# Altium PCB Fri3D_2020_01.PcbDoc (part 2 of 3) (continued)
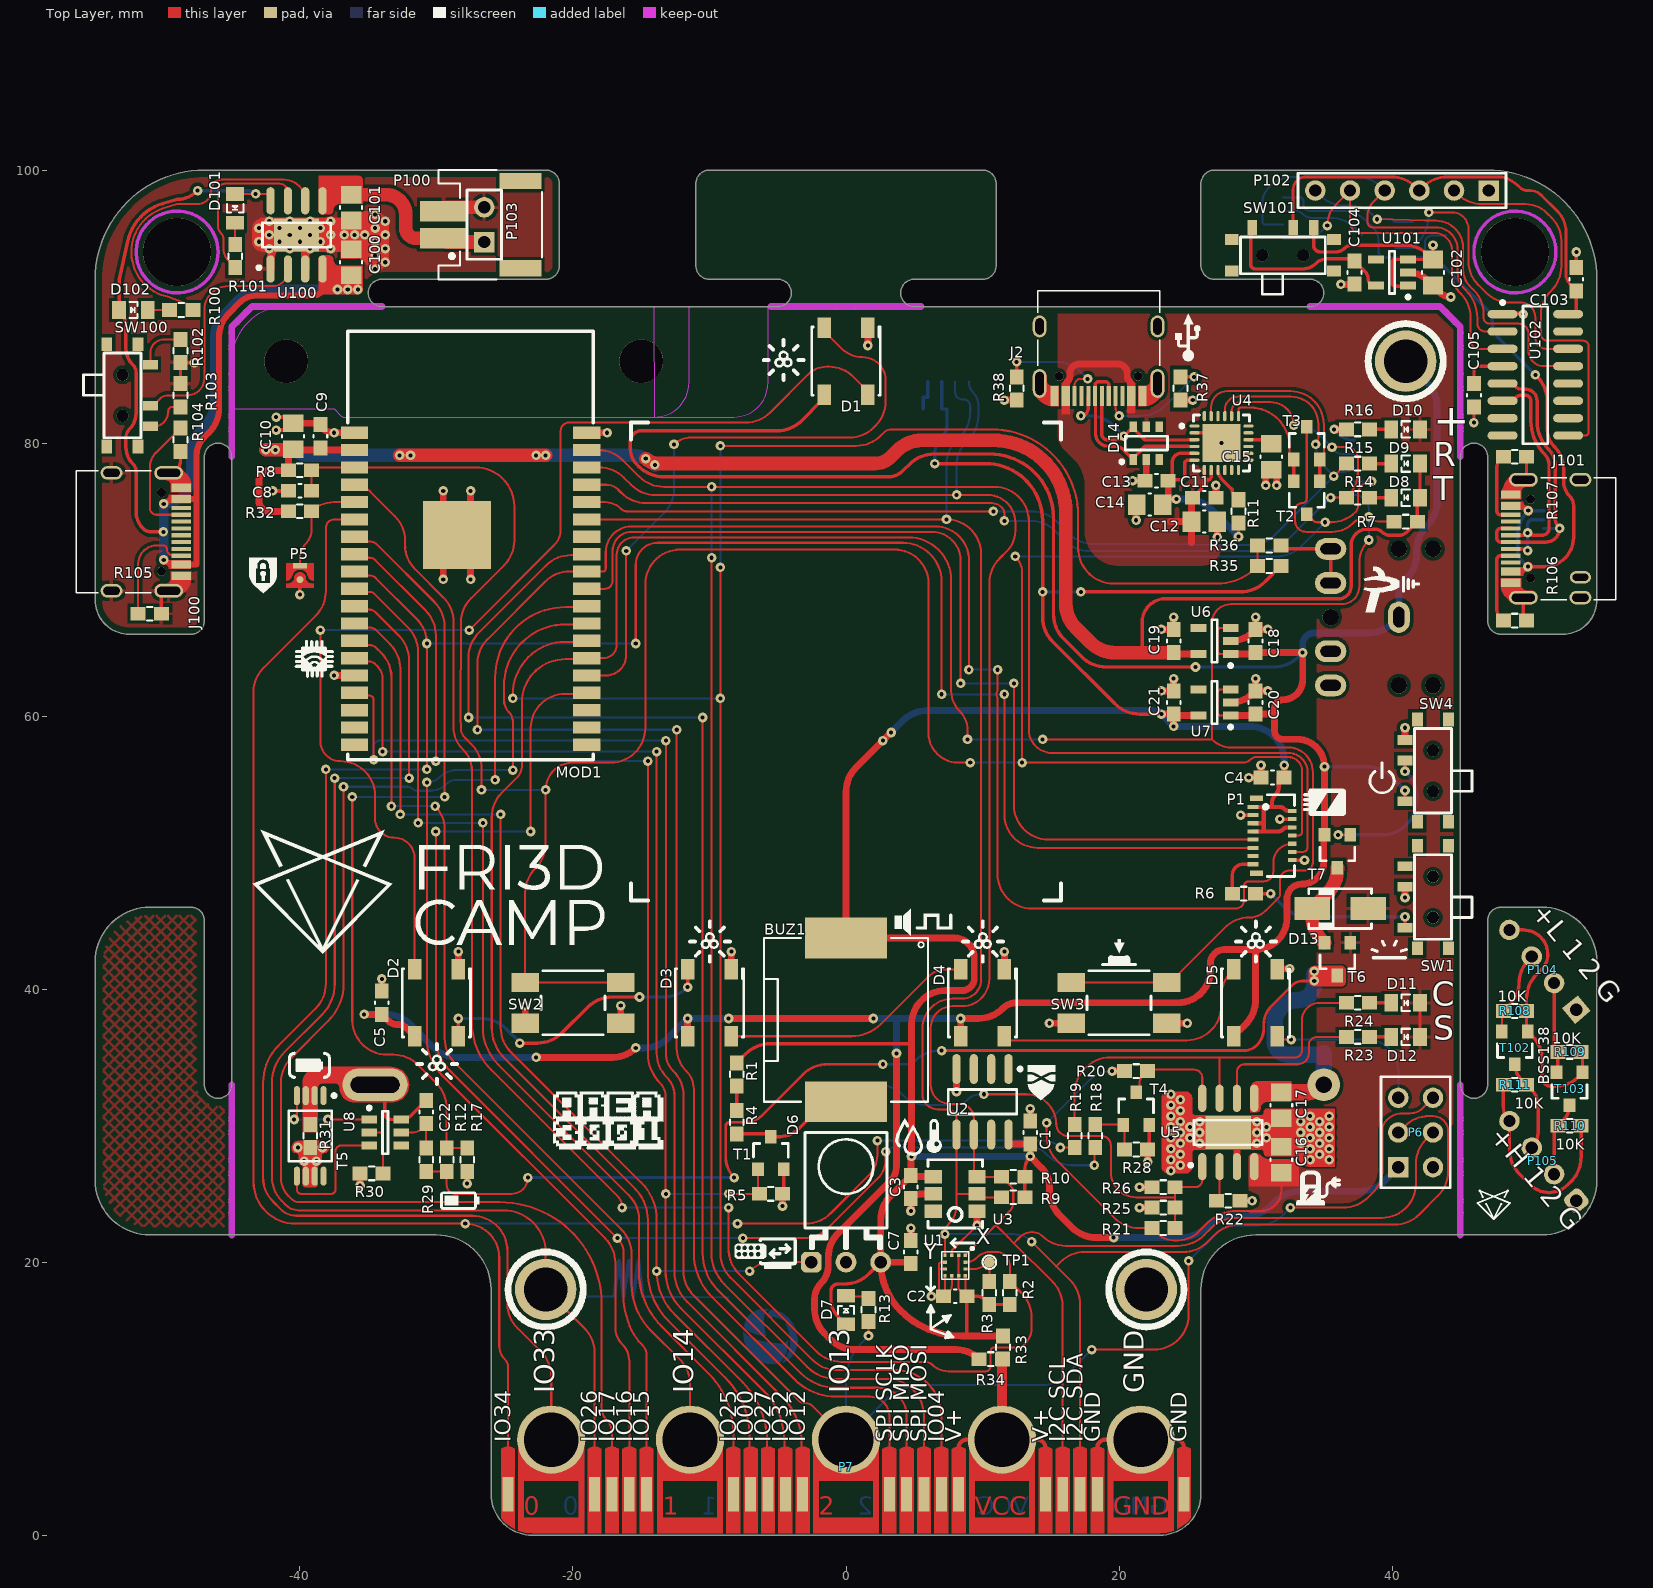
[diagram p0: Top Layer view]
## Nets (pads, with @x,y where several pads share a name; then routed paths per layer and width w, separated by ;. In a path a pad name is that pad's centre, name@x,y a point inside that pad or via, vN(x,y) a via of type N, cw(c..) or ccw(c..) an arc to the next point about the centre after c; other vN are vias at no path point) (continued)
  Bottom Layer w0.15: v1(-16.4,24) v1(-8.6,24)
ESP.IO39: MOD1.5 P5.2 R32.2 | length 7.6
  Top Layer w0.15: P5.2@-40,71 -40,71.634 cw(c-38.634,71.634) -39.6,72.6 ccw(c-40.687,73.687) -39.15,73.687 R32.2@-39.15,75 cw(c-37.513,73.363) -37.513,75.678 MOD1.5@-36,75.678
ESP.RESET: C8.1 MOD1.3 P1.8 P3.4 R8.2 SW2.1 T2.3 | length 203.7
  Top Layer w0.15: C8.1@-39.15,76.5 R8.2@-39.15,78 -39.15,78.218 MOD1.3@-36,78.218 -27.14,78.218 cw(c-27.14,75.378) -24.3,75.378 -24.3,72.852 cw(c-26.84,72.852) -25.044,71.056 -27.456,68.644 ccw(c-25.66,66.848) -28.2,66.848 -28.225,59.902 ccw(c-27.65,59.9) -28.225,59.881 -28.2,59.13 cw(c-28.35,59.124) -28.2,59.124 ccw(c-27.176,59.124) -27.9,58.4 -27.444,57.944 cw(c-29.24,56.148) -26.7,56.148 v1(-26.7,54.6) ; SW2.1@-16.5,40.5 SW2.1@-23.5,40.5 -23.5,47.048 cw(c-20.96,47.048) -22.756,48.844 -22.744,48.856 ccw(c-24.54,50.652) -22,50.652 v1(-22,54.6) cw(c-20,54.6) -20,56.6 -17.24,56.6 ccw(c-17.24,59.14) -14.7,59.14 -14.7,69.66 cw(c-12.16,69.66) -12.16,72.2 3.559,72.2 cw(c3.559,69.713) 6.046,69.713 6.046,58.753 ccw(c8.199,58.753) 8.199,56.6 v1(9.1,56.6) ; v1(12.4,71.7) cw(c11.193,70.493) 12.9,70.493 v1(12.9,56.6) 29.117,56.6 ccw(c29.117,57.283) 29.6,56.8 cw(c30.083,56.317) 30.083,57 32.4,57 cw(c32.4,56) 33.4,56 33.4,51.502 cw(c33.148,51.502) 33.148,51.25 P1.8@32.688,51.25 ; T2.3@33.75,74.8 34.244,74.306 ccw(c34.5,74.562) 34.5,74.2 v1(35.1,74.2) 35.523,74.2 ccw(c35.523,76.74) 37.319,74.944 ccw(c36.882,75.381) 37.5,75.381 37.5,76.317 cw(c38.183,76.317) 37.7,76.8 37.817,76.917 cw(c38.5,76.234) v1(38.5,77.2)
  Bottom Layer w0.15: v1(-26.7,54.6) v1(-22,54.6) ; v1(9.1,56.6) v1(12.9,56.6) ; v1(12.4,71.7) 31.548,71.7 ccw(c31.548,74.24) 33.344,72.444 v1(35.1,74.2) ; P3.4@37.225,77.2 v1(38.5,77.2)
ESP.RXD0: MOD1.34 P3.3 R15.2 U4.21 | length 74
  Top Layer w0.15: MOD1.34@-19,75.678 -17.654,75.678 cw(c-17.654,74.046) -16.5,75.2 ccw(c-16.017,75.683) -16.017,75 v1(10.8,75) ; U4.21@27.75,81.975 27.75,82.45 cw(c28.7,82.45) 28.7,83.4 32.6,83.4 cw(c32.6,81.4) 34.6,81.4 34.6,80.383 cw(c33.917,80.383) v1(34.4,79.9) ; v1(35.731,77.581) R15.2@36.65,78.5
  Bottom Layer w0.15: v1(10.8,75) 13.648,75 cw(c13.648,72.46) 15.444,74.256 16.356,73.344 ccw(c18.152,75.14) 18.152,72.6 23.948,72.6 27.187,72.525 ccw(c27.2,73.1) 27.192,72.525 ccw(c27.2,73.1) 27.2,72.525 28.772,72.525 29.623,72.525 ccw(c29.623,75.065) 31.419,73.269 v1(35.731,77.581) ; v1(34.4,79.9) ccw(c36.783,79.9) 35.098,78.215 v1(35.731,77.581) ; P3.3@37.225,78.2 cw(c36.501,78.924) 36.501,77.9 ccw(c36.501,76.812) v1(35.731,77.581)
ESP.TXD0: MOD1.35 P3.2 R14.2 U4.20 | length 76.1
  Top Layer w0.15: MOD1.35@-19,76.948 -17.54,76.948 cw(c-17.54,75.76) -16.7,76.6 -16.444,76.344 ccw(c-14.648,78.14) -14.648,75.6 10.676,75.6 cw(c10.676,74.576) 11.4,75.3 cw(c10.917,74.817) 11.6,74.817 v1(11.6,74.3) ; U4.20@28.25,81.975 28.25,82.35 cw(c28.9,82.35) 28.9,83 31.1,83 cw(c31.1,81.3) v1(32.8,81.3) ; v1(35.5,76) R14.2@36.65,76 36.756,76.106 ccw(c34.96,77.902) 37.5,77.902 37.5,78.776 ccw(c36.476,78.776) 37.2,79.5 ccw(c36.717,79.017) 36.717,79.7 v1(35.6,79.7)
  Bottom Layer w0.15: v1(11.6,74.3) 13.548,74.3 cw(c13.548,71.76) 15.344,73.556 16.056,72.844 ccw(c17.852,74.64) 17.852,72.1 30.5,72.1 ccw(c30.5,74.64) 32.296,72.844 35.452,76 v1(35.5,76) ; v1(32.8,81.3) 32.948,81.3 cw(c32.948,78.76) 34.744,80.556 v1(35.6,79.7) 35.661,79.554 35.672,79.525 ccw(c36.457,80.31) P3.2@36.457,79.2 ; P3.2@36.458,79.2 P3.2@37.225,79.2
GBAT: BAT1.2 C22.2 R31.1 T5.2 T5.3 U8.6 | length 6.3
  Top Layer w0.25: BAT1.2@-34.5,33 cw(c-34.5,32.3) -33.8,32.3 -33.8,30.9 ccw(c-33.35,30.9) -33.35,30.45 U8.6@-32.575,30.45 ccw(c-32.575,31.476) -31.849,30.751 C22.2@-30.75,31.85
GND: C1.2 C2.2 C3.2 C4.2 C5.2 C6.2 C7.2 C8.2 C9.2 C10.2 C11.2 C12.1 C13.2 C14.1 C15.1 C16.2 C17.2 C18.2 C19.2 C20.2 C21.2 D1.3 D2.3 D3.3 D4.3 D5.3 D6.2 D14.2 J1.2 J1.4 J2.A1 J2.A12 J2.B1 J2.B12 J2.MH1 J2.MH2 J2.MH3 J2.MH4 MOD1.1 MOD1.15 MOD1.38 MOD1.39 P1.3 P1.4 P1.14 P2.1 P3.1 P4.2 P5.1 P6.2 P7.23 P7.24 P7.25 pad.0@22,18 R5.2 R16.2 R17.2 R22.2 R25.2 R26.2 R27.2 R28.2 R30.2 R31.2 R37.2 R38.2 SW1.2 SW2.2 SW3.2 SW4.3 T1.2 T4.2 T5.6 T5.7 U1.3 U1.5 U1.6 U1.7 U1.8 U2.4 U3.1 U3.5 U4.2 U4.25 U5.3 U5.9 U6.2 U7.2 | length 118.9
  Top Layer w0.15: U1.7@7.25,19 C2.2@7.25,17.5 ; U1.6@7.25,19.5 6.8,19.5 ; U1.5@7.25,20 7,20 ccw(c7,19.8) 6.8,19.8 6.8,19.5 ; U1.8@7.75,19 7.75,18.3 cw(c7.026,18.3) 7.538,17.788 C2.2@7.25,17.5 ; U1.3@7.75,20.5 7.75,20.779 cw(c7.921,20.779) 7.8,20.9 v1(9.6,22.7) ; 6.8,19.5 6.8,17.5 C2.2@7.15,17.5 C2.2@7.25,17.5
  Top Layer w0.25: v1(-40,68.9) P5.1@-40,70 ; R5.2@-4.65,25 ccw(c-4.891,25.241) -4.55,25.241 T1.2@-4.55,26.8 ; R28.2@22.1,28.25 ccw(c21.859,28.491) 22.2,28.491 T4.2@22.2,30.05 ; U4.2@25.525,80.75 26.75,80.75 cw(c26.75,80) v1(27.5,80) ; v1(28.913,52.75) P1.3@29.813,52.75 ; v1(31.788,52.45) P1.4@32.688,52.45 ; P1.14@32.688,49.45 v1(33.588,49.45)
  Top Layer w0.3: v1(-42,76.5) C8.2@-40.85,76.5 ; v1(-41.75,80.95) C10.2@-40.55,80.95 ; v1(-41.75,81.9) C10.2@-40.55,81.9 ; P7.23@18.415,3 18.415,6.411 cw(c19.004,6.411) 19.004,7 P7.24@21.59,7 24.176,7 cw(c24.176,6.411) 24.765,6.411 P7.25@24.765,3
  Top Layer w0.5: C10.2@-40.5,81.45 -38.742,81.45 cw(c-38.742,81.108) C9.2@-38.5,81.35 -38.411,81.135 ccw(c-37.5,82.046) v1(-37.5,80.758) MOD1.1@-36,80.758 ; v1(-40.15,28.4) R31.2@-39.25,28.4 v1(-38.35,28.4) ; v1(-37.5,62.978) MOD1.15@-36,62.978 ; v1(-35.6,25.6) R30.2@-35.6,26.5 ; C5.2@-34,39.85 v1(-34,40.75) ; v1(-29.5,70.019) v1(-29.5,76.5) ; D2.3@-28.4,41.45 v1(-28.4,42.75) ; v1(-27.75,25.75) R17.2@-27.75,26.65 ; v1(-27.5,70.019) v1(-27.5,76.5) ; SW2.2@-23.5,37.5 v1(-23.5,38.8) ; MOD1.38@-19,80.758 v1(-17.5,80.758) ; SW2.2@-16.5,37.5 v1(-16.5,38.8) ; D3.3@-8.4,41.45 v1(-8.4,42.75) ; v1(-4.65,24.1) R5.2@-4.65,25 ; v1(1.6,87.15) D1.3@1.6,88.45 ; C7.2@4.75,21.6 v1(4.75,22.5) ; v1(4.75,23.75) C3.2@4.75,24.65 cw(c5.595,23.805) 5.595,25 U3.5@6.4,25 ; v1(6.25,17.5) C2.2@6.8,17.5 ; v1(8.095,32.5) U2.4@8.095,34.15 ; v1(9.6,22.7) U3.1@9.6,23.73 ; D4.3@11.6,41.45 v1(11.6,42.75) ; v1(11.6,83.15) R38.2@12.5,83.15 ; C1.2@13.5,30.35 v1(13.5,31.25) ; v1(14.9,37.5) SW3.2@16.5,37.5 ; v1(21,77.25) C13.2@21.9,77.25 ccw(c21.659,77.491) 22,77.491 D14.2@22,78.8 ; v1(21.25,74.35) C14.1@21.25,75.5 ; v1(21.5,24) R25.2@22.4,24 ; v1(21.5,25.5) R26.2@22.4,25.5 ; v1(22.1,27.35) R28.2@22.1,28.25 ; v1(23.1,61.85) C21.2@24,61.85 v1(24,62.75) ; v1(23.1,66.35) C19.2@24,66.35 v1(24,67.25) ; SW3.2@23.5,37.5 v1(25,37.5) ; R37.2@24.5,83.15 v1(25.4,83.15) ; C11.2@27.1,76 v1(27.1,76.9) ; v1(27.2,73.1) C12.1@27.2,74.25 ; U5.9@28,29.5 cw(c28,28.865) 28.635,28.865 U5.3@28.635,27 ; U7.2@28.175,61 ccw(c28.175,63.354) 29.84,61.69 C20.2@30,61.85 ; U6.2@28.175,65.5 ccw(c28.175,67.854) 29.84,66.19 C18.2@30,66.35 ; R22.2@28.85,24.5 v1(29.75,24.5) ; v1(29.5,55.5) C4.2@30.4,55.5 v1(30.4,56.4) ; v1(30,62.75) C20.2@30,61.85 ; v1(30,67.25) C18.2@30,66.35 ; v1(30.75,76.9) C15.1@30.75,78.05 ; v1(30.9,61.85) C20.2@30,61.85 ; v1(30.9,66.35) C18.2@30,66.35 ; v1(31.55,76.9) C15.1@31.55,78.05 ; D5.3@31.6,41.45 31.65,41.5 v1(32.5,41.5) ; v1(35.75,81) R16.2@36.65,81 ; v1(40.95,46.7) SW1.2@40.95,47.5 ; SW4.3@40.95,58.25 v1(40.95,59.15)
  Bottom Layer w0.25: C6.2@5.65,82.5 5.65,83.365 6,83.365 P2.1@6,84.5 ; v1(35.75,81) 36.072,80.677 ccw(c37.225,81.83) P3.1@37.225,80.2
  other v1: 23.8,26.7 24.5,27.1 -39.7,27.4 -38.8,27.4 23.8,27.5 34,27.5 35.4,27.5 24.5,27.9 34.7,27.9 23.8,28.3 34,28.3 35.4,28.3 24.5,28.7 25.9,28.7 30.1,28.7 33.3,28.7 34.7,28.7 23.8,29.1 25.2,29.1 30.8,29.1 34,29.1 35.4,29.1 24.5,29.5 25.9,29.5 30.1,29.5 33.3,29.5 34.7,29.5 23.8,29.9 25.2,29.9 30.8,29.9 34,29.9 35.4,29.9 24.5,30.3 25.9,30.3 30.1,30.3 33.3,30.3 34.7,30.3 23.8,30.7 34,30.7 35.4,30.7 24.5,31.1 23.8,31.5 24.5,31.9 23.8,32.3
GND2: C100.2 C101.2 J100.A1 J100.A12 J100.B1 J100.B12 J100.MH1 J100.MH2 J100.MH3 J100.MH4 P100.2 P103.2 R102.2 R103.2 R104.2 R105.2 U100.1 U100.3 U100.9 | length 16.4
  Top Layer w0.25: R105.2@-50.15,67.5 -50.15,69.075 -50.003,69.18 J100.MH4@-49.618,69.18 ; J100.MH1@-49.618,77.82 ccw(c-49.618,78.688) -48.75,78.688 R104.2@-48.75,79.4 ; R103.2@-48.75,84.35 R102.2@-48.75,85.9 v1(-47.75,85.9)
  Top Layer w0.6: U100.1@-42.155,92.75 -42.155,93.345 cw(c-40.25,93.345) U100.9@-40.25,95.25 cw(c-40.25,94.615) -39.615,94.615 U100.3@-39.615,92.75
  Top Layer w1: P100.2@-29.5,97 cw(c-29.23,97) -29.23,97.27 P103.2@-26.5,97.27
  other v1: -34.5,92.75 -33.75,93.25 -34.5,93.75 -42.25,94.25 -40.75,94.25 -39.25,94.25 -37.75,94.25 -33.75,94.25 -43,94.75 -41.5,94.75 -40,94.75 -38.5,94.75 -34.5,94.75 -42.25,95.25 -40.75,95.25 -39.25,95.25 -37.75,95.25 -36.75,95.25 -36,95.25 -35.25,95.25 -33.75,95.25 -43,95.75 -41.5,95.75 -40,95.75 -38.5,95.75 -34.5,95.75 -42.25,96.25 -40.75,96.25 -39.25,96.25 -37.75,96.25 -33.75,96.25 -34.5,96.75
GND3: C102.2 C103.2 C104.2 C105.2 J101.A1 J101.A12 J101.B1 J101.B12 J101.MH1 J101.MH2 J101.MH3 J101.MH4 J102.5 J102.MH1 J102.MH2 J102.MH3 J102.MH4 P101.1 P102.1 R106.2 R107.2 U101.2 U102.1 | length 12.5
  Top Layer w0.25: v1(46,81.5) C105.2@46,82.65 ; U102.1@48.1,89.445 ccw(c48.045,89.445) 48.045,89.5 49.545,89.5 cw(c49.545,89.445) v1(49.6,89.445) ; J101.MH1@49.618,68.68 49.618,67 R106.2@49.85,67 ; J101.MH4@49.618,77.32 49.85,77.32 R107.2@49.85,79 ; C103.2@53.5,92.85 v1(53.5,94)
  Top Layer w0.5: v1(36.25,91.625) 37.225,91.625 ccw(c37.225,91.65) C104.2@37.25,91.65 ; U101.2@41.175,92.5 cw(c41.175,90.388) 42.669,91.881 C102.2@43,91.55 43.532,91.018 ccw(c44.3,91.786) v1(44.3,90.7)
I2C.SCL: MOD1.36 P2.4 P6.4 P7.21 R10.2 U1.1 U2.6 U3.3 | length 162.8
  Top Layer w0.15: MOD1.36@-19,78.218 -18.07,78.218 cw(c-18.07,75.678) -16.274,77.474 -15.744,76.944 ccw(c-13.948,78.74) -13.948,76.2 v1(8.1,76.2) 10.379,76.2 cw(c10.379,74.179) 12.4,74.179 12.4,73.549 cw(c10.351,73.549) 11.8,72.1 11.244,71.544 ccw(c13.04,69.748) 10.5,69.748 10.5,40.75 cw(c8.5,40.75) 8.5,38.75 7.8,38.75 ccw(c7.8,37.15) 6.2,37.15 6.2,33 ccw(c7.6,33) 7.6,31.6 8.3,31.6 cw(c8.3,30.535) 9.365,30.535 U2.6@9.365,29.35 9.365,26.405 9.393,26.356 U3.3@9.6,26.27 ccw(c9.648,26.318) 9.648,26.25 R10.2@11.4,26.25 12.073,25.576 cw(c11.647,25.15) 12.25,25.15 12.25,24.35 cw(c11.405,24.35) 12.003,23.753 10.975,22.725 ; U1.1@8.75,20.5 10.975,22.725 ; P7.21@15.875,3 15.875,16.773 ccw(c13.335,16.773) 15.131,18.569 12.3,21.4 ; P6.4@43,29.5 42.494,28.994 ccw(c44.29,27.198) 41.75,27.198 41.75,25.75 cw(c39.25,25.75) 39.25,23.25 28.561,23.25 ccw(c28.561,20.689) 26.75,22.5 26.244,21.994 cw(c24.327,23.911) 24.327,21.2 16.09,21.2 cw(c16.09,23.59) 14.4,21.9 ccw(c13.676,21.176) 13.676,22.2 13.6,22.2 ccw(c13.6,20.993) 12.746,21.846 12.3,21.4 ; 10.975,22.725 11.85,21.85 12.3,21.4
  Bottom Layer w0.15: v1(8.1,76.2) 8.1,78.348 cw(c10.64,78.348) 8.844,80.144 9,80.3 ccw(c7.31,81.99) 9.7,81.99 9.7,82.81 ccw(c8.517,82.81) 9.354,83.646 cw(c10.207,84.5) P2.4@9,84.5
I2C.SDA: MOD1.33 P2.3 P6.3 P7.22 R9.2 U1.4 U2.5 U3.2 | length 166.7
  Top Layer w0.15: MOD1.33@-19,74.408 v1(7.36,74.408) cw(c7.36,71.868) 9.9,71.868 9.9,40.7 cw(c8.5,40.7) 8.5,39.3 7.8,39.3 ccw(c7.8,37.1) 5.6,37.1 5.6,32.3 ccw(c6.7,32.3) 6.7,31.2 7.4,31.2 cw(c7.4,30.505) 8.095,30.505 U2.5@8.095,29.35 8.095,25 ; U1.4@7.25,20.5 v1(7.25,22.055) cw(c8.445,22.055) 7.6,22.9 ccw(c6.405,24.095) 8.095,24.095 8.095,25 ; R9.2@11.4,24.75 10.204,24.75 cw(c10.204,25.604) U3.2@9.6,25 8.095,25 ; v1(13.6,21.5) 15.4,19.7 ; P7.22@17.145,3 17.145,16.903 ccw(c14.605,16.903) 16.401,18.699 15.4,19.7 ; P6.3@40.46,29.5 40.916,29.956 cw(c42.712,28.16) 42.712,30.7 43,30.7 cw(c43,29.6) 44.1,29.6 44.1,26.652 cw(c41.56,26.652) 43.356,24.856 41.994,23.494 cw(c40.198,25.29) 40.198,22.75 28.802,22.75 ccw(c28.802,20.21) 27.006,22.006 26.494,21.494 cw(c24.698,23.29) 24.698,20.75 17.502,20.75 ccw(c17.502,18.21) 15.706,20.006 15.4,19.7
  Bottom Layer w0.15: v1(7.25,22.055) 12.26,22.055 cw(c12.26,20.16) v1(13.6,21.5) ; v1(7.36,74.408) 7.36,78.408 cw(c9.9,78.408) 8.104,80.204 8.356,80.456 ccw(c6.56,82.252) 9.1,82.252 9.1,82.7 ccw(c8.6,82.7) 8.6,83.2 8.5,83.2 cw(c8.5,83.7) 8,83.7 P2.3@8,84.5
LCD.BL: R6.2 SW1.1 | length 12.3
  Top Layer w0.25: R6.2@30,47 v1(31.1,47) ; SW1.1@40.95,44.5 v1(40.95,45.3)
  Bottom Layer w0.25: v1(31.1,47) 32.056,46.044 ccw(c33.852,47.84) 33.852,45.3 v1(40.95,45.3)
LED.DOUT: D5.2 P6.5 | length 12.2
  Top Layer w0.15: D5.2@31.6,36.55 31.85,36.3 v1(32.6,36.3)
  Bottom Layer w0.15: v1(32.6,36.3) 38.17,36.3 cw(c38.17,34.01) 40.46,34.01 P6.5@40.46,32.04
LVL.G: P104.1 P105.1
LVL.H1: P105.3 R111.2 T102.3 | length 6.8
  Top Layer w0.25: T102.3@49,34.5 ccw(c50.569,34.5) 49.459,33.391 R111.2@49.85,33 50.24,32.61 cw(c49.13,31.5) 50.7,31.5 50.7,29.515 cw(c49.111,29.515) P105.3@50.235,28.392
LVL.H2: P105.2 R110.2 T103.3 | length 5.4
  Top Layer w0.25: P105.2@51.867,26.446 51.867,29.318 cw(c52.832,29.318) R110.2@52.15,30 52.54,30.39 ccw(c51.431,31.5) T103.3@53,31.5
LVL.L1: P104.3 R108.2 T102.2 | length 6.2
  Top Layer w0.15: T102.2@48.05,36.9 48.05,38.159 cw(c48.391,38.159) R108.2@48.15,38.4
  Top Layer w0.25: R108.2@48.15,38.4 48.699,38.949 ccw(c47.248,40.4) 49.3,40.4 49.3,40.405 cw(c51.84,40.405) 50.044,42.201 P104.3@50.235,42.392
LVL.L2: P104.2 R109.2 T103.2 | length 6.6
  Top Layer w0.25: P104.2@51.867,40.446 51.867,36.082 ccw(c52.832,36.082) R109.2@52.15,35.4 52.15,34.141 cw(c51.809,34.141) T103.2@52.05,33.9
LVL.V.HIGH: P105.4 R110.1 R111.1 | length 15.6
  Top Layer w0.25: R111.1@48.15,33 48.15,31.428 ccw(c49.693,31.428) P105.4@48.602,30.337 48.602,28.25 ccw(c51.142,28.25) 49.346,26.454 50.134,25.666 ccw(c51.5,27.031) 51.5,25.1 ccw(c51.5,27.031) 52.866,25.666 53.106,25.906 ccw(c51.31,27.702) 53.85,27.702 R110.1@53.85,30
LVL.V.LOW: P104.4 R108.1 R109.1 T102.1 T103.1 | length 18.8
  Top Layer w0.25: P104.4@48.602,44.337 49.603,44.337 cw(c49.603,42.503) 50.9,43.8 cw(c49.693,42.593) 51.4,42.593 51.4,42.466 cw(c50.034,42.466) 51,41.5 50.594,41.094 ccw(c52.39,39.298) 49.85,39.298 R108.1@49.85,38.4 49.85,37.142 ccw(c50.192,37.142) T102.1@49.95,36.9 50.256,36.594 cw(c48.46,34.798) 51,34.798 51,33.5 ccw(c51.6,33.5) 51.6,32.9 52.1,32.9 ccw(c52.1,34.952) 53.551,33.501 T103.1@53.95,33.9 53.95,35.158 ccw(c53.608,35.158) R109.1@53.85,35.4
NetBUZ1_2: BUZ1.2 R4.1 T1.3 | length 9
  Top Layer w0.25: R4.1@-8,29.4 -5.7,29.4 cw(c-5.7,29.2) T1.3@-5.5,29.2 -4.828,29.2 ccw(c-4.828,31.078) -3.5,29.75 -2.244,31.006 cw(c-0.448,29.21) -0.448,31.75 BUZ1.2@0,31.75
NetC22_1: C22.1 R29.2 U8.5 | length 3.9
  Top Layer w0.15: U8.5@-32.575,29.5 -31.872,29.5 ; -31.871,29.5 ccw(c-31.871,30.954) -30.843,29.926 -30.831,29.954 C22.1@-30.75,30.15 R29.2@-30.75,28.35
NetC105_1: C105.1 U102.4 | length 3.2
  Top Layer w0.25: C105.1@46,84.35 46,85.25 cw(c46.385,85.25) 46.385,85.635 U102.4@48.1,85.635
NetD1_2: D1.2 D2.4 | length 82.2
  Top Layer w0.15: v1(-38.5,66.3) -38.5,58.16 ccw(c-37.04,58.16) -37.04,56.7 cw(c-37.04,54.16) -34.5,54.16 -34.5,52.5 ccw(c-33.1,52.5) -33.1,51.1 cw(c-33.1,49.6) -31.6,49.6 D2.4@-31.6,41.45 ; v1(-27.6,66.3) -21.364,72.536 ccw(c-22.48,73.655) -20.9,73.655 -20.9,80.902 cw(c-20.302,80.902) -20.302,81.5 -7.352,81.5 ccw(c-7.352,84.04) -5.556,82.244 -2.766,85.034 cw(c-1.4,83.669) -1.4,85.6 -1.252,85.6 cw(c-1.252,83.06) 0.544,84.856 1.423,83.977 cw(c0.996,83.55) D1.2@1.6,83.55
  Bottom Layer w0.15: v1(-38.5,66.3) v1(-27.6,66.3)
NetD2_2: D2.2 D3.4 | length 21.4
  Top Layer w0.25: D2.2@-28.4,36.55 v1(-28.4,37.85) ; v1(-23.9,36.05) -22.602,36.05 ccw(c-22.602,38.59) -20.806,36.794 -18.919,38.681 cw(c-17.123,36.885) -17.123,39.425 v1(-15.125,39.425) ; v1(-11.6,40.15) D3.4@-11.6,41.45
  Bottom Layer w0.25: v1(-28.4,37.85) -26.702,37.85 cw(c-26.702,35.31) -24.906,37.106 v1@-23.9,36.1 ; v1(-15.125,39.425) -13.35,39.425 ccw(c-13.35,41.9) v1(-11.6,40.15)
NetD3_2: D3.2 D4.4 | length 18.6
  Top Layer w0.15: D3.2@-8.4,36.55 0.399,36.55 ; 0.4,36.55 ccw(c0.4,39.568) 2.534,37.434 5.946,40.846 cw(c7.404,39.388) 7.404,41.45 D4.4@8.4,41.45
NetD4_2: D4.2 D5.4 | length 20.4
  Top Layer w0.15: D4.2@11.6,36.55 ccw(c11.9,36.55) 11.9,36.25 24.96,36.25 ccw(c24.96,38.79) 27.5,38.79 27.5,39.5 cw(c30.035,39.5) 28.242,41.292 D5.4@28.4,41.45
NetD7_2: D7.2 R13.1 | length 1.7
  Top Layer w0.15: D7.2@0,17.55 0.05,17.5 1.5,17.5 R13.1@1.65,17.35
NetD8_2: D8.2 R14.1 | length 1.6
  Top Layer w0.25: R14.1@38.35,76 D8.2@39.95,76
NetD9_2: D9.2 R15.1 | length 1.6
  Top Layer w0.25: R15.1@38.35,78.5 D9.2@39.95,78.5
NetD10_2: D10.2 R16.1 | length 1.6
  Top Layer w0.25: R16.1@38.35,81 D10.2@39.95,81
NetD11_2: D11.2 R24.1 | length 1.6
  Top Layer w0.25: R24.1@38.35,39 D11.2@39.95,39
NetD12_2: D12.2 R23.1 | length 1.6
  Top Layer w0.25: R23.1@38.35,36.5 D12.2@39.95,36.5
NetD13_C: D13.C T6.2 T7.3 | length 6.4
  Top Layer w1: T6.2@35.05,43.4 34.894,43.556 cw(c36.69,45.352) 34.15,45.352 D13.C@34.15,45.9 35.256,47.006 ccw(c33.46,48.802) 36,48.802 T7.3@36,48.9
NetD101_2: D101.2 R101.1 | length 1.6
  Top Layer w0.15: R101.1@-44.75,94.55 D101.2@-44.75,96.15
NetD102_2: D102.2 R100.1 | length 1.6
  Top Layer w0.15: D102.2@-51.15,89.75 R100.1@-49.55,89.75
NetJ1_3: J1.3 J1.5 R36.2 | length 6.4
  Top Layer w0.25: R36.2@31.85,72.5 31.85,72.25 J1.3@35.5,72.25 J1.5@35.5,69.75
NetJ2_A5: J2.A5 R37.1 | length 9.1
  Top Layer w0.15: J2.A5@19.75,83.453 19.75,82.604 ccw(c20.604,82.604) v1(20.001,81.999)
  Top Layer w0.25: R37.1@24.5,84.85 v1(25.5,84.85)
  Bottom Layer w0.15: v1(20.001,81.999) 21.597,81.999 ccw(c21.597,84.539) 23.393,82.743 v1(25.5,84.85)
NetJ2_B5: J2.B5 R38.1 | length 8.7
  Top Layer w0.15: J2.B5@16.75,83.453 16.75,84.25 cw(c17.233,84.25) 16.891,84.591 cw(c17.154,84.329) 17.154,84.7 v1(17.7,84.7)
  Top Layer w0.25: R38.1@12.5,84.85 v1(12.5,85.95)
  Bottom Layer w0.15: v1(12.5,85.95) 15.398,85.95 cw(c15.398,83.41) 17.194,85.206 v1(17.7,84.7)
NetJ100_A5: J100.A5 R104.1 | length 9.3
  Top Layer w0.15: R104.1@-48.75,81.1 -50.576,79.274 ccw(c-49.552,78.25) -51,78.25 -51,75.25 ccw(c-50.5,75.25) -50.5,74.75 J100.A5@-48.702,74.75
NetJ100_B5: J100.B5 R105.1 | length 8
  Top Layer w0.15: R105.1@-51.85,67.5 -51.85,71.15 cw(c-50.5,71.15) -50.5,72.5 -50,72.5 cw(c-50,72.25) -49.75,72.25 ccw(c-49.25,72.25) -49.25,71.75 J100.B5@-48.702,71.75
NetJ101_A5: J101.A5 R106.1 | length 5.9
  Top Layer w0.25: R106.1@48.15,67 48.027,67.051 47.977,67.072 cw(c48.696,67.79) 47.68,67.79 47.68,67.791 47.68,69.412 47.675,69.417 47.675,70.214 47.68,70.219 47.68,71.475 cw(c47.955,71.475) 47.955,71.75 J101.A5@48.702,71.75
NetJ101_B5: J101.B5 R107.1 | length 5.4
  Top Layer w0.25: 47.68,78.249 47.68,75.025 ccw(c47.955,75.025) 47.955,74.75 J101.B5@48.702,74.75 ; 47.68,78.25 cw(c48.628,78.25) 47.958,78.92 48.007,78.941 R107.1@48.15,79
NetP1_15: P1.15 R6.1 | length 3.3
  Top Layer w0.25: R6.1@28.3,47 28.3,48.355 cw(c29.095,48.355) 29.095,49.15 P1.15@29.813,49.15
NetP7_18: P7.18 P7.19 P7.20 R33.2 R34.1 | length 19.8
  Top Layer w0.3: P7.18@8.255,3 8.255,6.411 cw(c8.844,6.411) 8.844,7 P7.19@11.43,7 14.016,7 cw(c14.016,6.411) 14.605,6.411 P7.20@14.605,3
  Top Layer w0.75: P7.19@11.43,7 11.43,12.83 cw(c11.5,12.83) R33.2@11.5,12.9
NetR1_2: R1.2 R4.2 | length 1.8
  Top Layer w0.25: R4.2@-8,31.1 R1.2@-8,32.9
NetR11_2: R11.2 U4.9 | length 2.7
  Top Layer w0.25: U4.9@27.25,78.025 27.25,78.004 ccw(c28.104,78.004) 27.5,77.4 28.229,76.671 cw(c28.059,76.5) 28.3,76.5 ccw(c28.783,76.5) 28.441,76.159 R11.2@28.75,75.85
NetR20_2: R20.2 T4.3 U5.8 | length 7.7
  Top Layer w0.15: T4.3@21.25,32.45 ccw(c20.646,33.054) 21.5,33.054 21.5,33.1 cw(c22.224,33.1) 21.712,33.612 R20.2@22.1,34 cw(c22.2,34) 22.2,34.1 25.5,34.1 cw(c25.5,33.505) 26.095,33.505 U5.8@26.095,32
NetR22_1: R22.1 U5.2 | length 2.6
  Top Layer w0.15: R22.1@27.15,24.5 ccw(c27.15,24.715) 27.365,24.715 U5.2@27.365,27
NetR30_1: R30.1 U8.2 | length 3.9
  Top Layer w0.15: U8.2@-34.925,29.5 -34.156,29.5 cw(c-34.156,29.244) -33.9,29.244 R30.1@-33.9,26.5
NetR100_2: R100.2 U100.6 | length 23
  Top Layer w0.15: R100.2@-48.257,90.157 ccw(c-48.361,90.049) -48.301,90.187 -48.35,90.208 -48.908,90.455 ccw(c-49,90.25) -48.923,90.461 -49.505,90.676 -49.554,90.694 cw(c-49,94) -49.963,97.211 -49,97.5 -47.5,97.5 ccw(c-47.5,98.5) -46.5,98.5 -46.5,98.55 cw(c-45.75,98.55) -45.75,99.3 -41.165,99.3 cw(c-41.165,97.75) U100.6@-39.615,97.75 ; R100.2@-48.256,90.156 R100.2@-48.056,89.956
NetR101_2: R101.2 U100.7 | length 12.4
  Top Layer w0.15: R101.2@-44.75,92.85 -45.176,93.276 cw(c-44.151,94.3) -45.6,94.3 -45.6,94.917 ccw(c-46.283,94.917) -45.8,95.4 cw(c-45.317,95.883) -46,95.883 -46,98.5 cw(c-45.5,98.5) -45.5,99 -41.5,99 cw(c-41.5,98.385) -40.885,98.385 U100.7@-40.885,97.75
NetR102_1: R102.1 SW100.1 | length 3.6
  Top Layer w0.15: SW100.1@-50.95,85.75 -50.95,86.609 cw(c-49.959,86.609) -49.959,87.6 R102.1@-48.75,87.6
NetR103_1: R103.1 SW100.3 | length 3
  Top Layer w0.15: SW100.3@-50.95,81.25 SW100.3@-50.605,81.25 ; SW100.3@-50.604,81.25 ccw(c-50.604,82.104) -50,81.5 ccw(c-50.854,82.354) -49.646,82.354 cw(c-49.35,82.354) -49.35,82.65 R103.1@-48.75,82.65
NetSW100_2: SW100.2 U100.2 | length 17.8
  Top Layer w0.15: SW100.2@-50.95,82.75 ccw(c-50.95,83.233) -50.609,82.891 -50.25,83.25 cw(c-49.646,82.646) -49.646,83.5 -48.25,83.5 ccw(c-48.25,84.75) -47,84.75 -47,89.75 cw(c-45.25,89.75) -45.25,91.5 -42,91.5 ccw(c-42,92.615) -40.885,92.615 U100.2@-40.885,92.75
NetT5_4: T5.4 U8.1 | length 7.3
  Top Layer w0.15: v1(-40.425,30.45) ccw(c-40.908,30.933) -40.225,30.933 T5.4@-40.225,32.2 ; v1(-37.95,30.45) U8.1@-34.925,30.45
  Bottom Layer w0.15: v1(-40.425,30.45) v1(-37.95,30.45)
NetT5_5: T5.5 U8.3 | length 9.7
  Top Layer w0.15: T5.5@-40.225,26.3 -40.225,25.325 ccw(c-39.9,25.325) -39.9,25 -37.7,25 ccw(c-37.7,25.3) -37.4,25.3 -37.4,28.1 cw(c-36.95,28.1) -36.95,28.55 U8.3@-34.925,28.55
PWR.EN: SW4.2 T7.1 | length 11.3
  Top Layer w0.15: v1(36.05,51.3) T7.1@36.95,51.3
  Top Layer w0.25: v1(40.95,55.95) SW4.2@40.95,56.75
  Bottom Layer w0.25: v1(36.05,51.3) 39.26,51.3 ccw(c39.26,53.84) 41.8,53.84 41.8,54.316 ccw(c39.907,54.316) 41.246,55.654 v1(40.95,55.95)
S\T\D\B\Y\: R23.2 U5.6 | length 11.7
  Top Layer w0.15: U5.6@28.635,32 28.635,33.935 cw(c29.2,33.935) 29.2,34.5 33.1,34.5 ccw(c33.1,35.3) 33.9,35.3 33.9,35.9 cw(c34.5,35.9) 34.5,36.5 R23.2@36.65,36.5
SPI.CLK: MOD1.30 P1.10 P7.14 | length 178.7
  Top Layer w0.15: v1(-27,59) -27,63.848 cw(c-24.46,63.848) -26.256,65.644 -22.046,69.854 cw(c-20.25,68.058) -20.25,70.598 MOD1.30@-19,70.598 -17.802,70.598 ccw(c-17.802,70.8) -17.6,70.8 -17.6,72 cw(c-15.7,72) -15.7,73.9 6.537,73.9 cw(c6.537,71.43) 9.007,71.43 v1(9.007,63.4) ; v1(-12.4,59) -12.4,35.69 ccw(c-10.01,35.69) -11.7,34 cw(c-13.028,32.672) -11.15,32.672 -11.15,20.652 ccw(c-6.66,20.652) -9.835,17.477 -3.766,11.408 ccw(c-0.73,14.443) -0.73,10.15 1.753,10.15 cw(c1.753,8.728) 3.175,8.728 P7.14@3.175,3 ; v1(11.1,63.4) 11.1,61.922 cw(c10.95,61.921) 11.1,61.92 cw(c10.95,61.921) 11.084,61.855 ccw(c11.6,61.6) 11.084,61.345 cw(c10.95,61.279) 11.1,61.28 cw(c10.95,61.279) 11.1,61.278 11.1,48.44 ccw(c13.64,48.44) 13.64,45.9 28.55,45.9 ccw(c28.55,46.5) 29.15,46.5 29.15,47.55 cw(c29.5,47.55) 29.5,47.9 30.6,47.9 ccw(c30.6,48.6) 31.3,48.6 31.3,49.262 cw(c32.688,49.262) P1.10@32.688,50.65
  Bottom Layer w0.15: v1(-27,59) v1(-12.4,59) ; v1(9.007,63.4) v1(11.1,63.4)